# Altium PCB MainBoard_6_layers.PcbDoc (part 3 of 6) (continued)
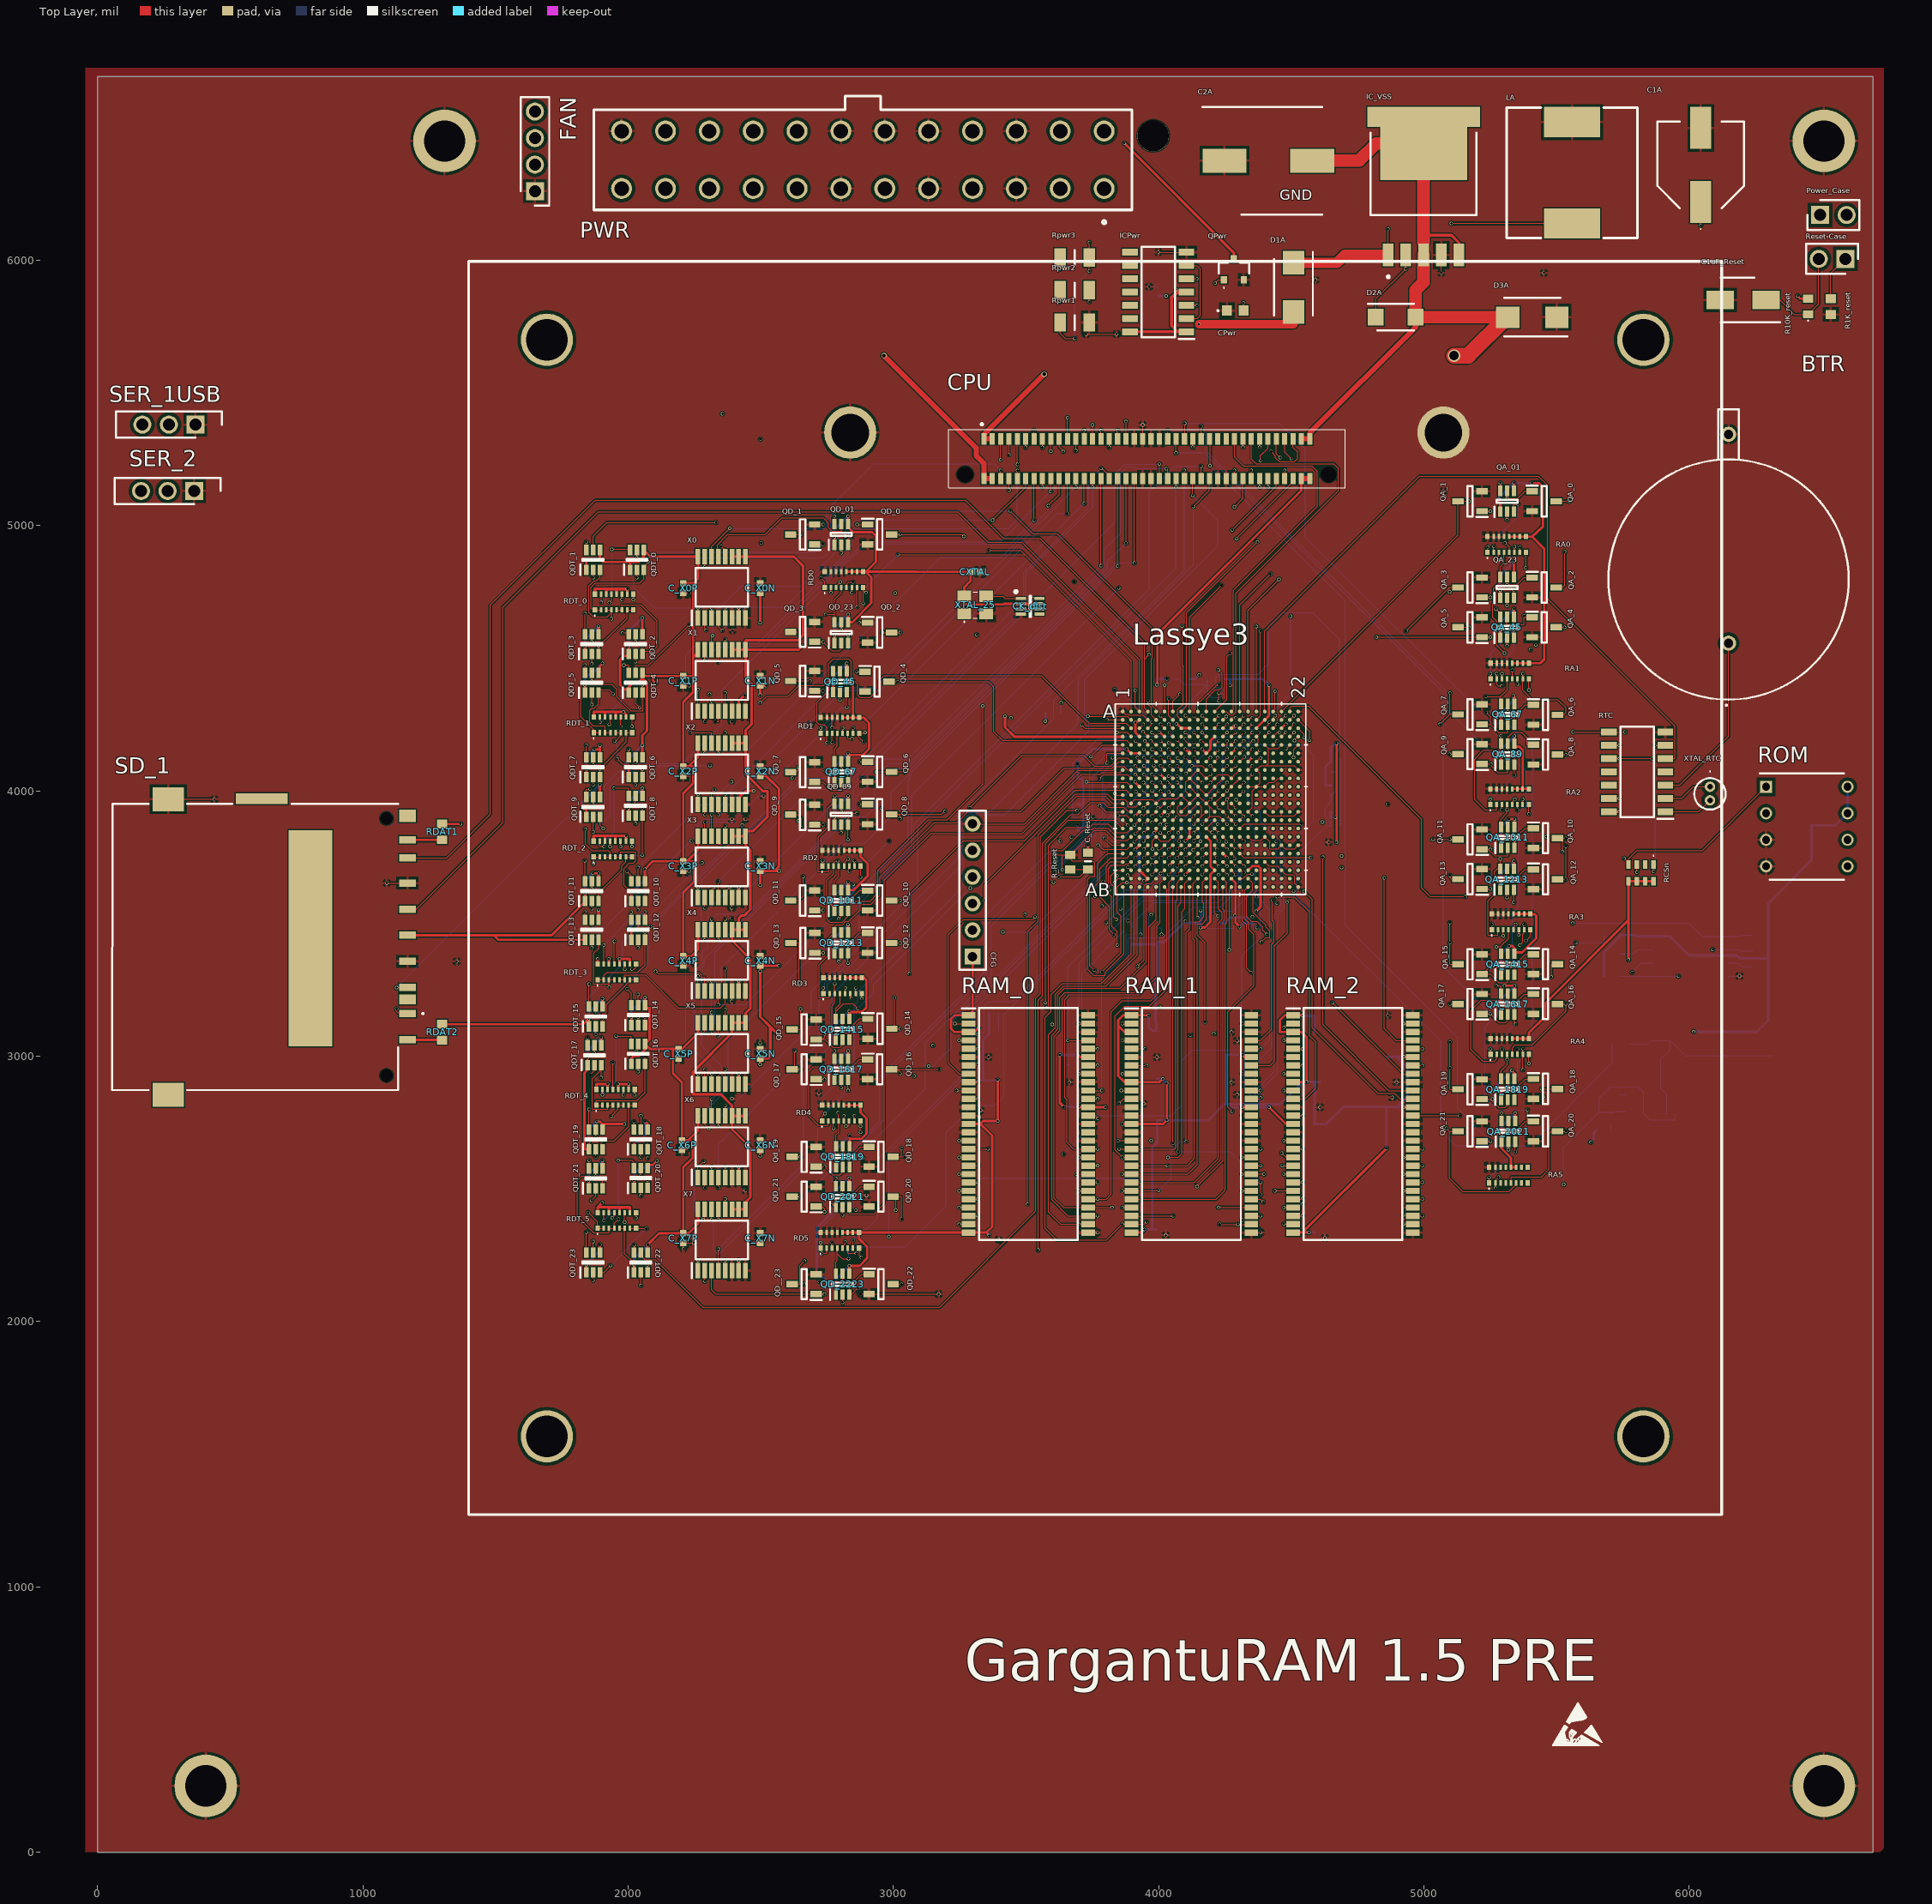
[diagram p0: Top Layer view]
## Nets (pads, with @x,y where several pads share a name; then routed paths per layer and width w, separated by ;. In a path a pad name is that pad's centre, name@x,y a point inside that pad or via, vN(x,y) a via of type N, cw(c..) or ccw(c..) an arc to the next point about the centre after c; other vN are vias at no path point) (continued)
  Bottom Layer w4: v1(2852.91,3737) 2909.61,3737 v1(2983.66,3811.05)
D10_B_ToBUS: Lassye3.K4 QDT_10.2 | length 2247.4
  Top Layer w4: v1(2037.91,3552) QDT_10.2@2037.91,3585.33 ; v1(3943.65,4031.74) Lassye3.K4@3959.21,4016.17
  Layer 3 w4: v1(2037.91,3552) 2075.91,3514 2226.91,3514 2310.91,3598 2762.82,3598 2823.82,3537 3325.78,3537 3800.78,4012 3933.52,4012 3933.52,4021.61 v1(3943.65,4031.74)
D10_FROM_BUS: QD_10.1 QD_1011.5 X3.1 | length 736.9
  Top Layer w4: X3.1@2263.35,3597.91 v1(2263.35,3637) ; QD_1011.5@2803.66,3626.57 2803.66,3597 v1(2803.91,3597) 2844.32,3597 2871.91,3624.6 QD_10.1@2903.39,3624.6
  Layer 4 w4: v1(2263.35,3637) 2303.35,3597 v1(2803.91,3597)
D10_TO_BUS: QDT_10.3 RDT_2.5 RDT_2.6 X3.2 | length 658.4
  Top Layer w4: RDT_2.5@1951.97,3751.84 RDT_2.6@1971.65,3751.84 1971.65,3770 2028.91,3770 2028.91,3736 2020.91,3728 2004.01,3728 1984.01,3708 1984.01,3643.91 1996.91,3631 2047.5,3631 v1(2063.5,3615) QDT_10.3@2063.5,3585.33 ; v1(2288.91,3559) X3.2@2288.94,3597.91
  Layer 1 w4: v1(2063.5,3615) 2119.5,3559 v1(2288.91,3559)
D11: CPU.28 X3.4 | length 2235
  Top Layer w4: X3.4@2340.12,3597.91 v1(2340.12,3659) ; CPU.28@3750.83,5177.83 3750.83,5146.09 v1(3750.91,5146)
  Bottom Layer w4: v1(2340.12,3659) 2687.18,4006.06 2807.83,4006.06 3499.05,4697.28 3499.05,4819.13 3750.91,5071 v1(3750.91,5146)
D11_A_FromBUS: Lassye3.F8 QD_1011.6 RD2.4 | length 2074.2
  Top Layer w4: RD2.4@2794.29,3717.2 2794.29,3679.22 2778.07,3663 QD_1011.6@2778.07,3626.57 2778.07,3598.84 2791.91,3585 2911.91,3585 2941.91,3615 2941.91,3701.79 3132.17,3892.05 3202.67,3892.05 3336.91,4026.3 v1(3336.91,4321) ; v1(4069.91,4158) 4069.91,4157.44 Lassye3.F8@4085.2,4142.16
  Layer 2 w4: v1(3336.91,4321) 3666.91,4321 3752.91,4235 4015.53,4235 4018.22,4232.31 4052.91,4232.31 4052.91,4175 v1(4069.91,4158)
D11_A_ToBUS: Lassye3.K5 QDT_11.5 | length 2395.6
  Top Layer w4: v1(1862.91,3631) QDT_11.5@1862.91,3660.14 ; v1(3974.91,4031.97) Lassye3.K5@3990.71,4016.17
  Layer 3 w4: v1(1862.91,3631) 1891.91,3660 2260.91,3660 2309.33,3611.58 3350.46,3611.58 3741.86,4002.99 3757.14,4002.99 3757.14,4018.27 3758.87,4020 3923.91,4020 3923.91,4032 3935.91,4044 3962.88,4044 v1(3974.91,4031.97)
D11_B_FromBUS: Lassye3.F10 QD_11.3 RD2.8 | length 2342.8
  Top Layer w4: QD_11.3@2612.64,3587.4 2643.91,3587.4 2659.91,3603.4 v1(2659.91,3677) ; v1(2876.5,3675.45) RD2.8@2876.5,3717.2 ; v1(4132.91,4158) 4132.91,4157.72 4148.19,4142.44 Lassye3.F10@4148.19,4142.16
  Layer 1 w4: v1(2659.91,3677) 2604.19,3732.72 2604.19,3904 2647.19,3947 2792.91,3947 2816.91,3971 2816.91,3999 3763.91,3999 3840.91,4076 4047.91,4076 4057.91,4086 4057.91,4107 4082.91,4107 4088.91,4113 4088.91,4142 4111.91,4142 4127.91,4158 v1(4132.91,4158)
  Layer 4 w4: v1(2659.91,3677) 2666.82,3670.09 2871.14,3670.09 v1(2876.5,3675.45)
D11_B_ToBUS: Lassye3.K6 QDT_11.2 | length 2552.9
  Top Layer w4: v1(1862.91,3556) QDT_11.2@1862.91,3585.33 ; v1(4006.38,4032) Lassye3.K6@4022.21,4016.17
  Layer 3 w4: v1(1862.91,3556) 1862.91,3540 1951.91,3451 3173.91,3451 3235.65,3512.74 3564.17,3512.74 3820.95,3769.51 3820.95,3854.43 3935.42,3968.91 3967.91,3968.91 3994.82,3995.81 3994.82,4016.68 4006.38,4028.24 v1(4006.38,4032)
D11_FROM_BUS: QD_11.1 QD_1011.2 X3.3 | length 804.8
  Top Layer w4: X3.3@2314.53,3597.91 2314.53,3628.84 v1(2322.3,3636.61) ; QD_11.1@2703.19,3550 v1(2734.91,3550) ; v1(2793.66,3518) 2803.66,3528 QD_1011.2@2803.66,3547.83
  Layer 2 w4: v1(2734.91,3550) 2766.91,3518 v1(2793.66,3518)
  Layer 4 w4: v1(2322.3,3636.61) 2344.91,3614 2807.91,3614 2815.91,3606 2815.91,3581 2784.91,3550 v1(2734.91,3550)
D11_TO_BUS: QDT_11.3 RDT_2.7 RDT_2.8 X3.5 | length 809.7
  Top Layer w4: QDT_11.3@1888.5,3585.33 1888.5,3616 ; v1(1888.5,3622) 1888.5,3616 ; RDT_2.8@2014.49,3751.84 RDT_2.7@1991.34,3751.84 1991.34,3733.42 1976.01,3718.09 1976.01,3703.5 1888.5,3616 ; X3.5@2365.71,3597.91 2365.71,3627 2371.91,3627 v1(2381.91,3637)
  Layer 1 w4: v1(1888.5,3622) 1895.5,3629 2245.91,3629 2272.91,3602 2346.91,3602 v1(2381.91,3637)
D12: CPU.30 X4.14 | length 2427.7
  Top Layer w4: X4.14@2314.53,3477.82 v1(2314.53,3517) ; v1(3782.32,4849.41) CPU.30@3782.32,5177.83
  Bottom Layer w4: v1(2314.53,3517) 2334.53,3537 2444.91,3537 2848.91,3941 2848.91,4010.05 2960.35,4121.48 3054.4,4121.48 v1(3782.32,4849.41)
D12_A_FromBUS: Lassye3.F12 QD_1213.3 RD3.1 | length 2779.4
  Top Layer w4: v1(2735.91,3257.23) 2736.14,3257 RD3.1@2736.14,3237 ; v1(2829.25,3350.57) QD_1213.3@2829.25,3387.83 v1(2829.25,3417.34) ; Lassye3.F12@4211.18,4142.16 v1(4222.97,4153.94)
  Layer 2 w4: v1(3849.91,4765) 4214.91,4400 4214.91,4162 v1(4222.97,4153.94)
  Bottom Layer w4: v1(2735.91,3257.23) 2741.72,3263.03 2741.72,3276.05 2770.51,3304.84 2783.53,3304.84 v1(2829.25,3350.57) ; v1(2829.25,3417.34) 2871.91,3460 2871.91,3593 3068.91,3790 3068.91,3984 v1(3849.91,4765)
D12_A_ToBUS: Lassye3.K7 QDT_12.5 | length 3190.7
  Top Layer w4: QDT_12.5@2037.91,3514.3 2037.91,3488 v1(2083.91,3488) ; v1(4033.91,4032) 4037.87,4032 Lassye3.K7@4053.7,4016.17
  Layer 2 w4: v1(2618.66,4049.65) 2618.66,4073.25 2599.12,4092.8 2333.71,4092.8 2300.91,4060 2300.91,3996 2377.91,3919 2707.91,3919 2755.91,3871 2813.91,3871 2846.91,3904 2846.91,3956 2906.1,4015.19 4017.1,4015.19 v1(4033.91,4032)
  Bottom Layer w4: v1(2083.91,3488) 2618.66,4022.75 v1(2618.66,4049.65)
D12_B_FromBUS: Lassye3.F13 QD_12.3 RD3.5 | length 2071
  Top Layer w4: RD3.5@2818.35,3237 v1(2818.35,3257.43) ; QD_12.3@2993.66,3427.2 v1(3025.22,3427.2) ; Lassye3.F13@4242.68,4142.16 4258.52,4158 v1(4258.91,4158)
  Layer 2 w4: v1(3025.22,3427.2) 3116.03,3518 3397.1,3518 3604.01,3724.91 3828.82,3724.91 3899.91,3796 4143.91,3796 v1(4157.91,3810)
  Layer 4 w4: v1(2818.35,3257.43) 2988.11,3427.2 v1(3025.22,3427.2)
  Bottom Layer w4: v1(4157.91,3810) 4157.91,3840 4138.91,3859 4127.91,3859 4119.91,3867 4119.91,3917 4240.91,4038 4240.91,4140 v1(4258.91,4158)
D12_B_ToBUS: Lassye3.K8 QDT_12.2 | length 2340.7
  Top Layer w4: v1(2037.91,3410) QDT_12.2@2037.91,3439.49 ; v1(4069.68,4031.69) Lassye3.K8@4085.2,4016.17
  Layer 4 w4: v1(2037.91,3410) 2104.21,3476.29 2836.21,3476.29 3284.21,3924.3 3618.21,3924.3 3700.01,4006.09 3755.82,4006.09 3767.03,4017.31 3984.41,4017.31 3987.01,4019.91 4057.9,4019.91 v1(4069.68,4031.69)
D12_FROM_BUS: QD_12.1 QD_1213.5 X4.13 | length 651
  Top Layer w4: v1(2339.91,3439) 2340.12,3439.2 X4.13@2340.12,3477.82 ; v1(2803.66,3432) v1@2803.66,3437 ; QD_1213.5@2803.66,3466.57 v1@2803.66,3437 ; QD_12.1@2903.11,3464.6 2871.91,3464.6 2844.32,3437 v1@2803.66,3437
  Layer 3 w4: v1(2339.91,3439) 2796.66,3439 v1(2803.66,3432)
D12_TO_BUS: QDT_12.3 RDT_3.1 RDT_3.2 X4.12 | length 721.9
  Top Layer w4: RDT_3.1@1885.08,3288.74 RDT_3.2@1908.23,3288.74 1908.23,3304.32 1919.91,3316 2035.5,3316 2063.5,3344 QDT_12.3@2063.5,3439.49 2063.5,3468.59 v1(2063.91,3469) ; X4.12@2365.71,3477.82 v1(2365.71,3517)
  Layer 1 w4: v1(2063.91,3469) 2071.91,3477 2071.91,3495 2111.91,3535 2347.71,3535 v1(2365.71,3517)
D13: CPU.32 X4.15 | length 2598.1
  Top Layer w4: v1(2288.84,3439.07) 2288.94,3439.17 X4.15@2288.94,3477.82 ; v1(3783.66,5216.05) 3785.16,5214.56 3788.9,5214.56 3813.82,5189.64 CPU.32@3813.82,5177.83
  Bottom Layer w4: v1(2288.84,3439.07) 2276.91,3451 2276.91,3664 2660.91,4048 2832.26,4048 2888.36,4104.1 2888.36,4119.75 3490.91,4722.31 3490.91,4823 3734.91,5067 3734.91,5167.31 v1(3783.66,5216.05)
D13_A_FromBUS: Lassye3.G1 QD_1213.6 RD3.2 | length 1742.7
  Top Layer w4: RD3.2@2759.29,3237 2759.29,3221 2720.91,3221 2720.91,3345 2752.91,3377 2752.91,3441.41 QD_1213.6@2778.07,3466.57 2778.07,3488 2786.07,3496 2808.91,3496 2820.91,3508 2830.91,3508 2874.91,3552 2874.91,3573 2915.61,3573 2949.91,3607.31 2949.91,3677 3153.91,3881 3239.91,3881 3283.29,3924.38 3481.35,3924.38 3643.07,4086.09 3824.82,4086.09 3849.39,4110.66 Lassye3.G1@3864.73,4110.66
D13_A_ToBUS: Lassye3.K15 QDT_13.5 | length 3462.9
  Top Layer w4: v1(1862.91,3485) QDT_13.5@1862.91,3514.3 ; Lassye3.K15@4305.67,4016.17 4321.5,4032 v1(4321.91,4032)
  Layer 1 w4: v1(1862.91,3485) 1949.91,3398 2268.91,3398 v1(2390.91,3520)
  Layer 2 w4: v1(2390.91,3520) 2519.91,3391 2519.91,3274 2559.91,3234 2815.91,3234 2942.91,3361 3114.91,3361 3174.91,3421 3367.91,3421 3403.91,3457 3507.91,3457 3537.91,3487 3960.01,3487 3998.91,3448.09 4171.01,3448.09 4201.91,3479 4201.91,3813 4214.91,3826 4258.91,3826 4312.91,3880 4336.32,3880 4338.66,3882.34 4338.66,4029.66 4336.32,4032 v1(4321.91,4032)
D13_B_FromBUS: Lassye3.G2 QD_13.3 RD3.6 | length 2064.8
  Top Layer w4: QD_13.3@2613.39,3427.2 2644.91,3427.2 v1(2644.91,3277) ; RD3.6@2838.03,3237 2838.03,3221.13 v1(2841.91,3217.25) ; v1(3287.5,3936.59) 3484.91,4134 3717.91,4134 3757.82,4094.09 3818.82,4094.09 3848.73,4124 3882.88,4124 Lassye3.G2@3896.22,4110.66
  Layer 1 w4: v1(2841.91,3217.25) 2841.91,3510.09 3268.41,3936.59 v1(3287.5,3936.59)
  Layer 3 w4: v1(2644.91,3277) 2704.66,3217.25 v1(2841.91,3217.25)
D13_B_ToBUS: Lassye3.L1 QDT_13.2 | length 2291
  Top Layer w4: v1(1862.91,3410) QDT_13.2@1862.91,3439.5 ; v1(3834.91,3991.04) 3841.28,3984.68 Lassye3.L1@3864.73,3984.68
  Layer 2 w4: v1(2236.91,3812) 2804.91,3812 2983.95,3991.04 v1(3834.91,3991.04)
  Bottom Layer w4: v1(1862.91,3410) 1862.91,3438 v1(2236.91,3812)
D13_FROM_BUS: QD_13.1 QD_1213.2 X4.1 | length 701.5
  Top Layer w4: X4.1@2263.35,3246.48 v1(2263.35,3303) ; QD_13.1@2703.94,3389.79 v1(2735.5,3389.79) ; v1(2793.66,3358) 2803.66,3368 QD_1213.2@2803.66,3387.83
  Layer 2 w4: v1(2735.5,3389.79) 2767.29,3358 v1(2793.66,3358)
  Layer 3 w4: v1(2263.35,3303) 2648.7,3303 v1(2735.5,3389.79)
D13_TO_BUS: QDT_13.3 RDT_3.3 RDT_3.4 X4.2 | length 736.2
  Top Layer w4: QDT_13.3@1888.5,3439.5 1888.5,3407.59 1869.91,3389 1869.91,3272 1927.91,3272 ; v1(1928.66,3261.05) 1927.91,3261.8 1927.91,3272 ; RDT_3.4@1947.6,3288.74 RDT_3.3@1927.91,3288.74 1927.91,3272 ; v1(2103.66,3321.05) 2113.66,3311.05 2254.56,3311.05 2258.42,3314.91 2268.28,3314.91 2275.25,3307.93 2275.25,3298.07 2275.16,3297.98 2288.94,3297.98 X4.2@2288.94,3246.48
  Layer 2 w4: v1(1928.66,3261.05) 1986.13,3261.05 2046.13,3321.05 v1(2103.66,3321.05)
D14: CPU.34 X4.4 | length 2717.5
  Top Layer w4: v1(2340.12,3195) X4.4@2340.12,3246.48 ; v1(3845.32,4848) CPU.34@3845.32,5177.83
  Bottom Layer w4: v1(2340.12,3195) 2442.1,3195 3055.91,3808.82 3055.91,4042.56 3063.52,4050.17 3063.52,4066.21 v1(3845.32,4848)
D14_A_FromBUS: Lassye3.G3 QD_1415.3 RD3.3 | length 1923.1
  Top Layer w4: v1(2778.98,3273) RD3.3@2778.98,3237 2778.98,3201 2767.91,3189.94 2767.91,3112 2775.91,3104 2795.91,3104 2811.91,3088 2833.66,3088 QD_1415.3@2833.66,3062.31 ; v1(3919.91,4126) 3921.41,4124.51 3921.41,4119.68 3927.72,4113.37 Lassye3.G3@3927.72,4110.66
  Layer 2 w4: v1(2778.98,3273) 2912.98,3407 3123.91,3407 3147.91,3431 3344.01,3431 v1(3609.01,3696)
  Bottom Layer w4: v1(3609.01,3696) 3722.01,3809 3735.91,3809 3761.01,3834.09 3761.01,3847.09 3822.11,3908.2 3822.11,3932.3 3892.91,4003.1 3892.91,4064 3903.91,4075 3947.82,4075 3955.82,4083 3955.82,4107 3938.91,4107 v1(3919.91,4126)
D14_A_ToBUS: Lassye3.L2 QDT_14.5 | length 2469.6
  Top Layer w4: QDT_14.5@2037.91,3192.4 v1(2037.91,3233) ; v1(3059.91,3311) 3059.91,3609 3262.91,3812 3493.91,3812 3684.91,4003 3877.9,4003 Lassye3.L2@3896.22,3984.68
  Layer 3 w4: v1(2037.91,3233) 2038.91,3234 2622.91,3234 2706.91,3150 2898.91,3150 v1(3059.91,3311)
D14_B_FromBUS: Lassye3.G4 QD_14.3 RD3.7 | length 1924.1
  Top Layer w4: RD3.7@2857.72,3237 2857.72,3256.8 v1(2857.91,3257) ; QD_14.3@2994.21,3103.65 QD_14.3@3003.91,3103.65 ; v1(3003.91,3221) QD_14.3@3003.91,3103.65 ; v1(3025.77,3103.65) QD_14.3@3003.91,3103.65 ; v1(3943.91,4126) Lassye3.G4@3959.21,4110.66
  Layer 2 w4: v1(2857.91,3257) 2872.43,3257 v1(3025.77,3103.65)
  Layer 4 w4: v1(3003.91,3221) 3194.91,3412 3355.91,3412 v1(3412.91,3469)
  Bottom Layer w4: v1(3412.91,3469) 3515.91,3469 3783.66,3736.75 3783.66,3856.18 3831.3,3903.81 3831.3,3914.49 3839.91,3923.11 3861.02,3923.11 3927.59,3989.68 3956.53,3989.68 3956.53,4063.67 3963.82,4070.96 3963.82,4118.46 3951.46,4118.46 v1(3943.91,4126)
D14_B_ToBUS: Lassye3.L3 QDT_14.2 | length 2329.2
  Top Layer w4: QDT_14.2@2037.91,3117.6 v1(2037.91,3147) ; v1(3914.65,3997.74) Lassye3.L3@3927.72,3984.68
  Layer 4 w4: v1(2037.91,3147) 2050.91,3160 2050.91,3236 2281.91,3467 2851.91,3467 3111.91,3727 3463.21,3727 3734.3,3998.09 3763.82,3998.09 3772.77,4007.04 3905.35,4007.04 v1(3914.65,3997.74)
D14_FROM_BUS: QD_14.1 QD_1415.5 X4.3 | length 1366.8
  Top Layer w4: X4.3@2314.53,3246.48 v1(2314.53,3285) ; v1(2808.07,3109) QD_1415.5@2808.07,3141.05 2810.07,3111 2841.86,3111 2871.91,3141.05 QD_14.1@2903.66,3141.05
  Layer 3 w4: v1(2314.53,3285) 2062.91,3285 2025.91,3248 2025.91,3220 2136.91,3109 v1(2808.07,3109)
D14_TO_BUS: QDT_14.3 RDT_3.5 RDT_3.6 X4.5 | length 1012.1
  Top Layer w4: RDT_3.5@1967.28,3288.74 RDT_3.6@1986.97,3288.74 1986.97,3306 2065.91,3306 2188.91,3183 2348.71,3183 2365.71,3200 X4.5@2365.71,3246.48 v1(2365.71,3330.91) ; QDT_14.3@2063.5,3117.6 2063.5,3146.59 v1(2063.91,3147)
  Layer 1 w4: v1(2063.91,3147) 2247.82,3330.91 v1(2365.71,3330.91)
D15: CPU.36 X5.14 | length 2757.7
  Top Layer w4: X5.14@2314.53,3126.39 2314.53,3164.61 v1(2314.91,3165) ; v1(3876.81,4934.37) CPU.36@3876.81,5177.83
  Bottom Layer w4: v1(2314.91,3165) 2314.91,3228 2326.91,3240 2326.91,3392 2838.91,3904 2895.91,3904 2927.91,3936 2927.91,4005 3007.91,4085 3051.91,4085 3806.73,4839.81 3806.73,4864.28 v1(3876.81,4934.37)
D15_A_FromBUS: Lassye3.G5 QD_1415.6 RD3.4 | length 1790.4
  Top Layer w4: QD_1415.6@2782.48,3141.05 2782.48,3169.57 ; RD3.4@2798.66,3237 2798.66,3196.18 2782.48,3180 2782.48,3169.57 ; v1(2865.91,3181) 2848.01,3198.91 2811.82,3198.91 2782.48,3169.57 ; v1(3974.91,4126) 3975.37,4126 Lassye3.G5@3990.71,4110.66
  Layer 3 w4: v1(3289.91,3634) 3318.9,3634 3705.52,4020.62 3739.82,4020.62 3739.82,4061.12 3818.65,4139.95 3841.96,4139.95 3867.91,4114 3962.91,4114 v1(3974.91,4126)
  Bottom Layer w4: v1(2865.91,3181) 2924.91,3240 2924.91,3269 v1(3289.91,3634)
D15_A_ToBUS: Lassye3.L4 QDT_15.5 | length 2640.3
  Top Layer w4: v1(1877.91,3155) QDT_15.5@1877.91,3187.4 ; v1(3943.91,4002) 3943.91,3999.98 Lassye3.L4@3959.21,3984.68
  Layer 2 w4: v1(2429.91,3872) 2475.91,3826 2805.91,3826 2982.91,4003 3843.91,4003 3868.91,3978 3919.91,3978 v1(3943.91,4002)
  Bottom Layer w4: v1(1877.91,3155) 2075.91,3353 2075.91,3475.09 2072.01,3479 2072.01,3504 2083.91,3515.91 2098.82,3515.91 2429.91,3847 v1(2429.91,3872)
D15_B_FromBUS: Lassye3.G6 QD_15.3 RD3.8 | length 2026.1
  Top Layer w4: QD_15.3@2618.39,3101.06 2649.91,3101.06 v1(2649.91,3178) ; v1(2880.87,3217.25) RD3.8@2880.87,3237 ; v1(4006.89,4125.98) Lassye3.G6@4022.21,4110.66
  Layer 1 w4: v1(2880.87,3217.25) 2918.31,3254.7 2918.31,3266.4 3187.91,3536 v1(3495.91,3536)
  Layer 3 w4: v1(3495.91,3536) 3589.91,3630 3624.44,3630 3807.47,3813.03 3807.47,3914.56 3876.91,3984 3955.8,3984 3959,3987.2 3959,4004.09 3974.91,4020 3986.91,4020 3986.91,4079 3994.91,4087 3994.91,4114 v1(4006.89,4125.98)
  Layer 4 w4: v1(2649.91,3178) 2670.82,3198.91 2862.52,3198.91 v1(2880.87,3217.25)
D15_B_ToBUS: Lassye3.L5 QDT_15.2 | length 2704.4
  Top Layer w4: v1(1877.91,3083) QDT_15.2@1877.91,3112.6 ; v1(3975.15,4000.24) Lassye3.L5@3990.71,3984.68
  Layer 2 w4: v1(2278.47,3729.56) 2351.91,3803 2849.91,3803 3011.82,3964.91 3939.82,3964.91 v1(3975.15,4000.24)
  Bottom Layer w4: v1(1877.91,3083) 1839.91,3121 1839.91,3208 1979.91,3348 1979.91,3431 v1(2278.47,3729.56)
D15_FROM_BUS: QD_15.1 QD_1415.2 X5.13 | length 627.6
  Top Layer w4: v1(2340.12,3078) X5.13@2340.12,3126.39 ; QD_15.1@2708.94,3063.65 2732.57,3063.65 ; v1(2740.91,3084) 2740.91,3072 2732.57,3063.65 ; QD_1415.2@2808.07,3062.31 2808.07,3041.16 2799.91,3033 2771.57,3033 2740.91,3063.65 2732.57,3063.65
  Layer 4 w4: v1(2340.12,3078) 2365.12,3103 2721.91,3103 v1(2740.91,3084)
D15_TO_BUS: QDT_15.3 RDT_3.7 RDT_3.8 X5.12 | length 782.8
  Top Layer w4: QDT_15.3@1903.5,3112.6 v1(1903.5,3143) 1903.5,3159.37 1905.85,3161.72 1914.85,3161.72 1918.36,3165.23 1918.36,3195.52 2006.66,3283.82 RDT_3.7@2006.66,3288.74 RDT_3.8@2029.8,3288.74 ; X5.12@2365.71,3126.39 2365.71,3176.8 v1(2365.91,3177)
  Layer 1 w4: v1(1903.5,3143) 1913.5,3133 2321.91,3133 v1(2365.91,3177)
D16: CPU.38 X5.15 | length 2886.7
  Top Layer w4: v1(2288.94,3087) X5.15@2288.94,3126.39 ; v1(3908.31,4860) CPU.38@3908.31,5177.83
  Bottom Layer w4: v1(2288.94,3087) 2327.91,3125.98 2327.91,3205 2351.12,3228.2 2351.12,3334.62 2819.41,3802.91 2890.83,3802.91 2991.91,3904 2991.91,3994.56 3055.52,4058.17 3055.52,4073.11 3833.41,4851 3833.41,4860 v1(3908.31,4860)
D16_A_FromBUS: Lassye3.G7 QD_1617.3 RD4.1 | length 3469.6
  Top Layer w4: RD4.1@2731.3,2756.52 2731.3,2773.39 v1(2741.91,2784) ; v1(2829.25,2871.34) QD_1617.3@2829.25,2911.68 ; v1(4037.91,4126) 4038.36,4126 Lassye3.G7@4053.7,4110.66
  Layer 4 w4: v1(2741.91,2784) 2761.91,2764 2894.09,2764 3673.55,3543.46 3944.33,3543.46 3967.79,3520 3984.91,3520 4041.01,3576.09 4400.28,3576.09 4411.31,3565.07 4511.98,3565.07 4584.91,3638 4584.91,4083 4556.91,4111 4052.91,4111 v1(4037.91,4126)
  Bottom Layer w4: v1(2741.91,2784) v1(2829.25,2871.34)
D16_A_ToBUS: Lassye3.L6 QDT_16.5 | length 2455.7
  Top Layer w4: v1(2029.91,3017) 2037.91,3025 QDT_16.5@2037.91,3046.56 ; v1(4006.9,3999.98) Lassye3.L6@4022.21,3984.68
  Layer 4 w4: v1(2029.91,3017) 2215.91,3203 2215.91,3232 2388.91,3405 2916.91,3405 2951.91,3440 3040.15,3440 3219.74,3619.58 3416.5,3619.58 3763.42,3966.51 3860.81,3966.51 3871.21,3976.91 3983.82,3976.91 v1(4006.9,3999.98)
D16_B_FromBUS: Lassye3.G8 QD_16.3 RD4.5 | length 2258.9
  Top Layer w4: RD4.5@2813.51,2756.52 v1(2813.51,2776) ; QD_16.3@2993.94,2951.05 3015.91,2951.05 ; v1(3025.5,2935.05) 3025.5,2941.47 3015.91,2951.05 ; v1(3173.91,2951.05) 3015.91,2951.05 ; v1(4071.91,4123.94) Lassye3.G8@4085.2,4110.66
  Layer 1 w4: v1(3173.91,2951.05) 3173.91,3104 3670.91,3601 v1(3670.91,3826)
  Layer 4 w4: v1(2813.51,2776) 2972.56,2935.05 v1(3025.5,2935.05)
  Bottom Layer w4: v1(3670.91,3826) 3677.91,3833 3712.91,3833 3712.91,3845 3739.91,3872 3739.91,4075 3802.91,4138 4057.86,4138 v1(4071.91,4123.94)
D16_B_ToBUS: Lassye3.L7 QDT_16.2 | length 2585.2
  Top Layer w4: v1(2037.91,2942) QDT_16.2@2037.91,2971.76 ; v1(4038.91,3996) 4042.38,3996 Lassye3.L7@4053.7,3984.68
  Layer 4 w4: v1(2037.91,2942) 2223.91,3128 2223.91,3218 2250.91,3245 2894.33,3245 3260.91,3611.58 3424.5,3611.58 3602.91,3790 3647.91,3790 3658.91,3801 3658.91,3838 3675.91,3855 3705.91,3855 3722.91,3872 3722.91,3913 3768.42,3958.51 3884.91,3958.51 3894.63,3968.22 3986.45,3968.22 4001.23,3983 4025.91,3983 v1(4038.91,3996)
D16_FROM_BUS: QD_16.1 QD_1617.5 X5.1 | length 771
  Top Layer w4: X5.1@2263.35,2895.05 v1(2263.35,2934) ; QD_1617.5@2803.66,2990.42 2803.66,2961 v1(2803.91,2961) 2844.46,2961 2871.91,2988.46 QD_16.1@2903.39,2988.46
  Layer 3 w4: v1(2263.35,2934) 2302.35,2895 2509.91,2895 2584.91,2970 2794.91,2970 v1(2803.91,2961)
D16_TO_BUS: QDT_16.3 RDT_4.1 RDT_4.2 X5.2 | length 674.1
  Top Layer w4: RDT_4.2@1903.23,2816 RDT_4.1@1880.08,2816 1880.08,2833 2032.5,2833 2063.5,2864 QDT_16.3@2063.5,2971.76 2063.5,3000.59 v1(2063.91,3001) ; X5.2@2288.94,2895.05 v1(2288.94,2949)
  Layer 3 w4: v1(2063.91,3001) 2115.91,2949 v1(2288.94,2949)
D17: CPU.44 X5.4 | length 3272.7
  Top Layer w4: X5.4@2340.12,2895.05 v1(2340.12,2933) ; CPU.44@4002.8,5177.83 v1(4002.8,5232)
  Bottom Layer w4: v1(2340.12,2933) 2250.91,3022.2 2250.91,3318.09 2278.82,3346 2278.82,3391.91 2300.91,3414 2300.91,3552 2364.59,3615.68 2436.88,3615.68 3836.91,5015.71 3836.91,5197 3871.91,5232 v1(4002.8,5232)
D17_A_FromBUS: Lassye3.G9 QD_1617.6 RD4.2 | length 2466.8
  Top Layer w4: RD4.2@2754.45,2756.52 2754.45,2740 2716.91,2740 2680.91,2776 2680.91,2944 2697.97,2961.05 2775.73,2961.05 2778.07,2963.4 QD_1617.6@2778.07,2990.42 2778.07,3019.84 v1(2777.91,3020) ; v1(4101.13,4126.22) Lassye3.G9@4116.69,4110.66
  Layer 1 w4: v1(2777.91,3020) 2834.91,2963.01 v1(3132.92,2963.01)
  Bottom Layer w4: v1(3132.92,2963.01) 3148.92,2963.01 3217.48,3031.56 3217.48,3128 3807.47,3718 3807.47,3841.05 3943.42,3977 3975.91,3977 3987.91,3989 3987.91,4064 4006.91,4083 4018.91,4083 4018.91,4098 4031.91,4111 4085.91,4111 v1(4101.13,4126.22)
D17_A_ToBUS: Lassye3.L15 QDT_17.5 | length 2964.3
  Top Layer w4: v1(1872.91,3012) QDT_17.5@1872.91,3041.56 ; Lassye3.L15@4305.67,3984.68 v1(4319.45,3998.46)
  Layer 1 w4: v1(1872.91,3012) 1974.91,3114 2283.91,3114 v1(2310.91,3087)
  Layer 4 w4: v1(2310.91,3087) 2349.91,3126 2853.08,3126 3167.08,3440 3328.72,3440 3839.22,3950.51 3892.32,3950.51 3902.04,3960.22 3998.1,3960.22 4002.78,3964.91 4148.04,3964.91 4204.37,4021.24 4230.56,4021.24 4253.31,4044 4273.91,4044 v1(4319.45,3998.46)
D17_B_FromBUS: Lassye3.G10 QD_17.3 RD4.6 | length 3033.8
  Top Layer w4: QD_17.3@2618.39,2951.05 QD_17.3@2627.91,2951.05 ; v1(2627.91,3021) QD_17.3@2627.91,2951.05 ; v1(2649.91,2951.05) QD_17.3@2627.91,2951.05 ; v1(2820.98,2736.78) 2822.11,2737.91 2833.19,2737.91 RD4.6@2833.19,2756.52 ; v1(4132.91,4126) 4132.91,4125.94 Lassye3.G10@4148.19,4110.66
  Layer 1 w4: v1(2627.91,3021) 2690.91,3084 2690.91,3704 2612.19,3782.72 2612.19,3897.28 2651.91,3937 2835.01,3937 2878.91,3980.91 3811.82,3980.91 3813.73,3979 3842.78,3979 3846.82,3983.04 4043.95,3983.04 4084.91,4024 4084.91,4096 4099.91,4111 4117.91,4111 v1(4132.91,4126)
  Layer 3 w4: v1(2649.91,2951.05) 2649.91,2907.84 v1(2820.98,2736.78)
D17_B_ToBUSù: Lassye3.M1 QDT_17.2 | length 3926.7
  Top Layer w4: v1(1856.91,2930) 1872.91,2946 QDT_17.2@1872.91,2966.76 ; v1(3505.91,2443) 3505.91,3469.31 3545.82,3509.21 3545.82,3834.92 3691.8,3980.91 3797.82,3980.91 3825.55,3953.18 Lassye3.M1@3864.73,3953.18
  Layer 1 w4: v1(1856.91,2930) 1856.91,2866 1917.91,2805 1917.91,2595 1951.91,2561 2499.91,2561 2705.77,2355.14 3329.46,2355.14 3417.32,2443 v1(3505.91,2443)
D17_FROM_BUS: QD_17.1 QD_1617.2 X5.3 | length 809.4
  Top Layer w4: X5.3@2314.53,2895.05 2314.53,2933.61 v1(2314.91,2934) ; QD_17.1@2708.94,2913.65 v1(2740.5,2913.65) ; v1(2803.66,2882) QD_1617.2@2803.66,2911.68
  Layer 2 w4: v1(2740.5,2913.65) 2772.15,2882 v1(2803.66,2882)
  Layer 3 w4: v1(2314.91,2934) 2374.01,2993.09 2800.82,2993.09 2815.91,2978 2815.91,2894.25 v1(2803.66,2882)
D17_TO_BUS: QDT_17.3 RDT_4.3 RDT_4.4 X5.5 | length 851.7
  Top Layer w4: v1(1898.5,2920) QDT_17.3@1898.5,2949.59 ; QDT_17.3@1898.5,2966.76 QDT_17.3@1898.5,2949.59 ; RDT_4.4@1942.6,2816 RDT_4.3@1922.91,2816 1922.91,2800 1864.91,2800 1864.91,2916 QDT_17.3@1898.5,2949.59 ; X5.5@2365.71,2895.05 2365.71,2949.8 v1(2365.91,2950)
  Layer 1 w4: v1(1898.5,2920) 2357.91,2920 2365.91,2928 v1(2365.91,2950)
D18: CPU.46 X6.14 | length 3392.1
  Top Layer w4: X6.14@2314.53,2774.96 v1(2314.53,2836.39) ; v1(4028.29,5215) 4034.29,5209 CPU.46@4034.29,5177.83
  Bottom Layer w4: v1(2314.53,2836.39) 2352.91,2874.77 2352.91,2963 2276.91,3039 2276.91,3331.09 2286.82,3341 2286.82,3365.91 2858.91,3938 2858.91,3978 2983.91,4103 3057.91,4103 3794.91,4840 3794.91,4911 3855.91,4972 3855.91,5197 3880.91,5222 3907.91,5222 3914.91,5215 v1(4028.29,5215)
D18_A_FromBUS: Lassye3.G11 QD_1819.3 RD4.3 | length 3612.5
  Top Layer w4: v1(2774.13,2728.49) RD4.3@2774.13,2756.52 ; QD_1819.3@2834.84,2582.31 2834.84,2611.93 v1(2834.91,2612) ; Lassye3.G11@4179.69,4110.66 v1(4195.03,4126)
  Layer 3 w4: v1(2834.91,2612) 2774.13,2672.78 v1(2774.13,2728.49) 2884.91,2617.71 v1(2884.91,2617)
  Layer 4 w4: v1(2884.91,2617) 3229.91,2962 3229.91,3065.69 3654.52,3490.29 3969.4,3490.29 4047.2,3568.09 4394.08,3568.09 4405.1,3557.07 4593.98,3557.07 4652.91,3616 4652.91,4078 4559.95,4170.97 4247.88,4170.97 4234.91,4158 4234.91,4149 4223.91,4138 4207.03,4138 v1(4195.03,4126)
D18_A_ToBUS: Lassye3.M3 QDT_18.5 | length 2696.8
  Top Layer w4: QDT_18.5@2047.91,2724.3 2048.66,2725.05 v1(2048.66,2776.05) ; v1(3342.91,3588) 3342.91,3645 3686.82,3988.91 3805.82,3988.91 3827.73,3967 3871.91,3967 3883.22,3955.69 3883.22,3940 3914.54,3940 Lassye3.M3@3927.72,3953.18
  Layer 4 w4: v1(2048.66,2776.05) 2113.97,2776.05 2231.91,2894 2231.91,3190.84 2278.08,3237 2917.91,3237 3207.91,3527 3317.91,3527 3342.91,3552 v1(3342.91,3588)
D18_B_FromBUS: Lassye3.G12 QD_18.3 RD4.7 | length 3760.7
  Top Layer w4: RD4.7@2852.88,2756.52 v1(2852.91,2776) v1(2852.91,2776) ; QD_18.3@2998.94,2621.05 3030.5,2621.05 ; v1(3030.5,2653.05) 3030.5,2621.05 ; v1(3041.86,2621.05) 3030.5,2621.05 ; Lassye3.G12@4211.18,4110.66 4222.52,4122 v1(4222.52,4126)
  Layer 2 w4: v1(2852.91,2776) 2907.55,2776 v1(3030.5,2653.05) ; v1(3041.86,2621.05) 3051.81,2631 v1(3641.91,2631)
  Bottom Layer w4: v1(3641.91,2631) 3756.67,2745.75 3756.67,2778.62 3780.48,2778.62 3782.1,2777 4048.91,2777 4087.91,2816 4087.91,2984 4127.91,3024 4317.91,3024 4325.91,3016 4325.91,2873.43 4367.91,2831.43 4396.91,2831.43 4396.91,2859 4372.01,2859 4372.01,2877.09 4435.82,2940.91 4435.82,3536.09 4458.66,3558.94 4458.66,3811.05 4383.91,3885.8 4383.91,3919 4336.91,3966 4336.91,4161 4327.91,4170 4220.91,4170 4210.91,4160 4210.91,4137.61 v1(4222.52,4126)
D18_B_ToBUS: Lassye3.M4 QDT_18.2 | length 2524
  Top Layer w4: v1(2047.91,2620) QDT_18.2@2047.91,2649.5 ; v1(3943.03,3937) Lassye3.M4@3959.21,3953.18
  Layer 4 w4: v1(2047.91,2620) 2137.91,2710 2356.73,2710 2647.73,3001 3009.14,3001 3521.26,3513.12 3521.26,3536 3532.55,3547.29 3555.42,3547.29 3808.48,3800.34 3808.48,3830.42 3915.06,3937 v1(3943.03,3937)
D18_FROM_BUS: QD_18.1 QD_1819.5 X6.13 | length 695.9
  Top Layer w4: v1(2340.12,2736) X6.13@2340.12,2774.96 ; v1(2793.91,2631) 2818.25,2631 ; QD_1819.5@2809.25,2661.05 2809.25,2640 2818.25,2631 ; QD_18.1@2908.39,2658.46 2877.37,2658.46 2849.91,2631 2818.25,2631
  Layer 3 w4: v1(2340.12,2736) 2688.91,2736 v1(2793.91,2631)
D18_TO_BUS: QDT_18.3 RDT_4.5 RDT_4.6 X6.12 | length 694
  Top Layer w4: v1(1935.91,2773.63) 1962.28,2800 RDT_4.5@1962.28,2816 RDT_4.6@1981.97,2816 ; QDT_18.3@2073.5,2649.5 v1(2073.5,2679.09) ; X6.12@2365.71,2774.96 v1(2365.71,2814)
  Layer 1 w4: v1(1935.91,2773.63) 1935.91,2748 2019.91,2664 2058.42,2664 v1(2073.5,2679.09)
  Layer 4 w4: v1(2073.5,2679.09) 2208.42,2814 v1(2365.71,2814)
D19: CPU.48 X6.15 | length 3238.1
  Top Layer w4: X6.15@2288.94,2774.96 2288.94,2744 v1(2303.93,2729.01) ; v1(4065.79,5146) CPU.48@4065.79,5177.83
  Bottom Layer w4: v1(2303.93,2729.01) 2690.61,3115.7 2690.61,3244.51 2760.72,3314.62 2773.24,3314.62 3092.08,3633.46 3092.08,3865.16 4065.79,4838.87 v1(4065.79,5146)
D19_A_FromBUS: Lassye3.G13 QD_1819.6 RD4.4 | length 2710.3
  Top Layer w4: QD_1819.6@2783.66,2661.05 2783.66,2703 2793.82,2713.16 RD4.4@2793.82,2756.52 2792.71,2757.64 2792.71,2786.27 v1(2791.6,2787.39) ; Lassye3.G13@4242.68,4110.66 v1(4258.47,4126.45)
  Layer 1 w4: v1(2791.6,2787.39) 2765.91,2813.07 2765.91,3035 2853.91,3123 2853.91,3245.09 2869.82,3245.09 2869.82,3515.91 3276.91,3923 3640.91,3923 3658.91,3941 3746.91,3941 3754.91,3933 3879.91,3933 3903.91,3957 4270.91,3957 4270.91,4114 v1(4258.47,4126.45)